# Altium PCB Mag256_9mm.PcbDoc (part 2 of 6) (continued)
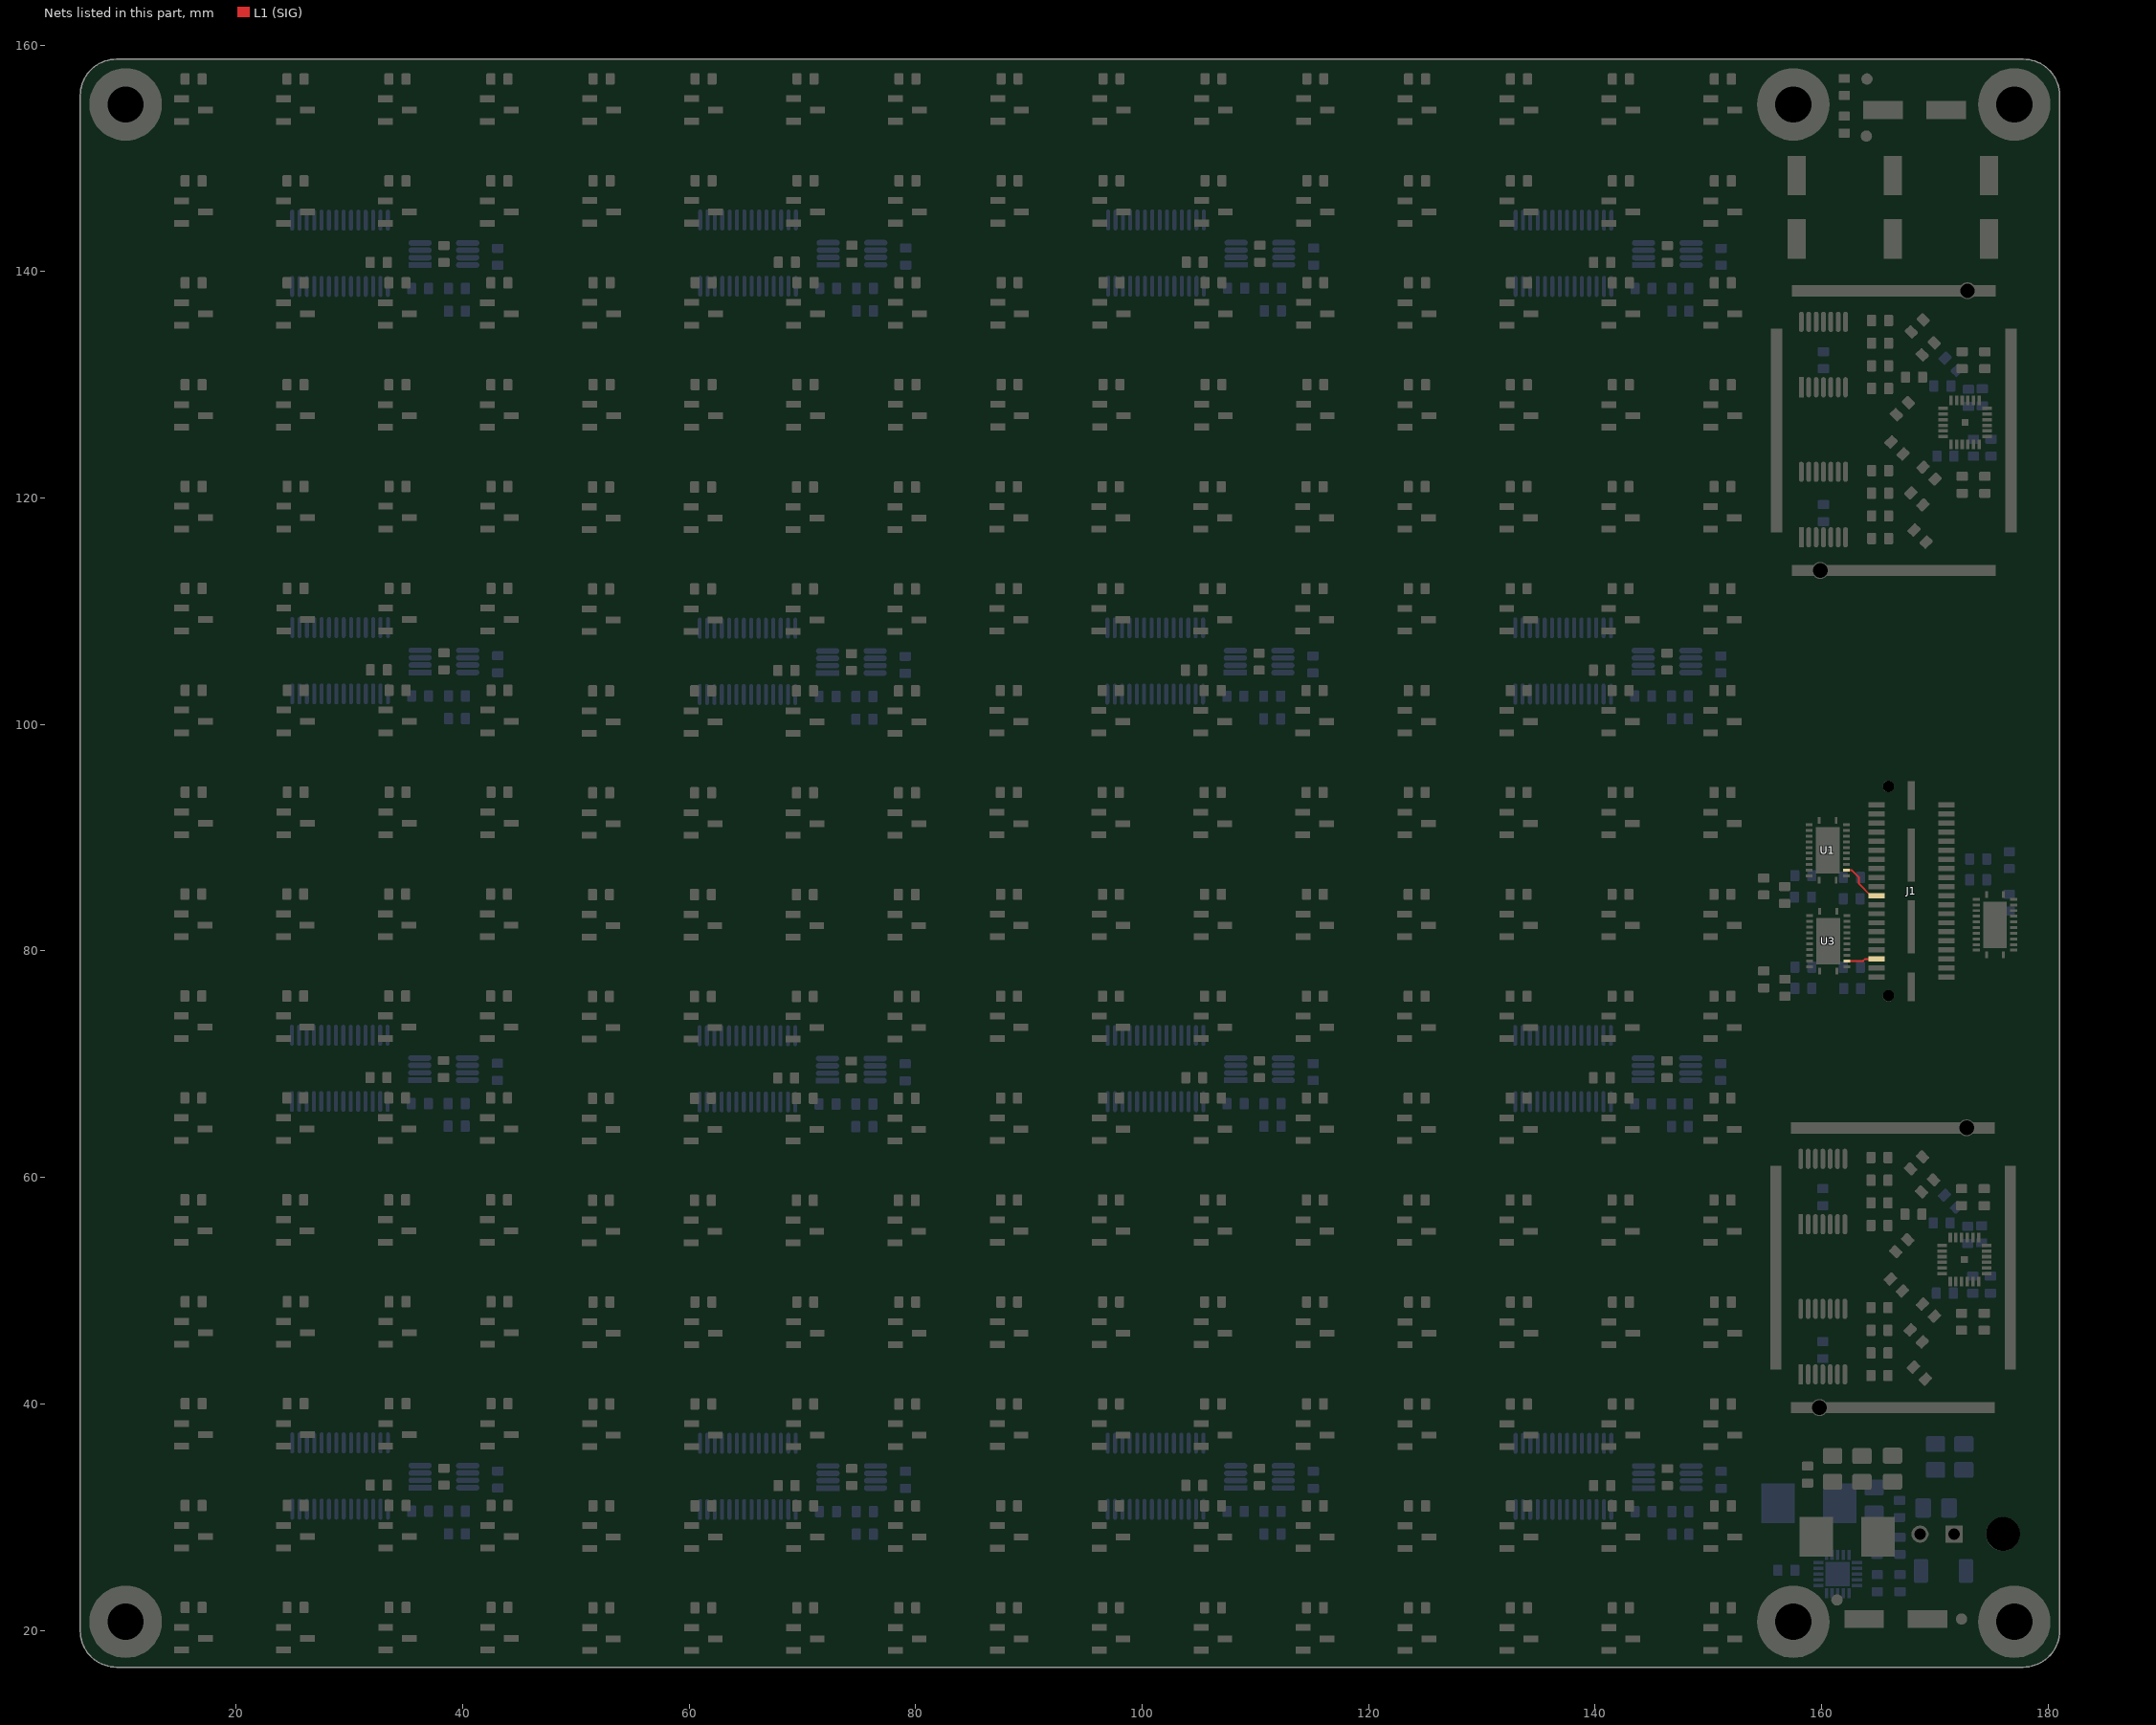
[diagram p6: the nets of this part, all layers, seen from the top]
## Components (designator, comment, footprint, x,y, rotation, side; value= is the part's Value field where it differs from the comment) (continued)
R18_F21 "33R" RES_0603 165.156,122.419 r180 top (schematic designator R18)
R18_F22 "33R" RES_0603 165.1,48.5 r180 top (schematic designator R18)
TP1 "TEST_POINT_RND_1MM" PAD_RND_1MM 161.348,22.682 r270 top
TP2 "TEST_POINT_RND_1MM" PAD_RND_1MM 164,157 r0 top
TP3 "TEST_POINT_RND_1MM" PAD_RND_1MM 163.948,151.964 r0 top
TP4 "TEST_POINT_RND_1MM" PAD_RND_1MM 172.351,21 r0 top
U1 "TXV0108QWRGYRQ1" TXV0108QWRGYRQ1 160.526,88.887 r180 top
U2 "TXV0108QWRGYRQ1" TXV0108QWRGYRQ1 175.301,82.312 r0 top
U3 "TXV0108QWRGYRQ1" TXV0108QWRGYRQ1 160.576,80.862 r180 top
U4_F11 "ADA4807-2ARMZ-R7" FP-RM-8-IPC_A 38.35,141.55 r0 bottom (schematic designator U4)
U4_F12 "ADA4807-2ARMZ-R7" FP-RM-8-IPC_A 74.379,141.568 r0 bottom (schematic designator U4)
U4_F13 "ADA4807-2ARMZ-R7" FP-RM-8-IPC_A 110.398,141.57 r0 bottom (schematic designator U4)
U4_F14 "ADA4807-2ARMZ-R7" FP-RM-8-IPC_A 146.373,141.55 r0 bottom (schematic designator U4)
U4_F15 "ADA4807-2ARMZ-R7" FP-RM-8-IPC_A 38.356,105.57 r0 bottom (schematic designator U4)
U4_F16 "ADA4807-2ARMZ-R7" FP-RM-8-IPC_A 74.333,105.515 r0 bottom (schematic designator U4)
U4_F17 "ADA4807-2ARMZ-R7" FP-RM-8-IPC_A 110.329,105.546 r0 bottom (schematic designator U4)
U4_F18 "ADA4807-2ARMZ-R7" FP-RM-8-IPC_A 146.342,105.551 r0 bottom (schematic designator U4)
U4_F19 "ADA4807-2ARMZ-R7" FP-RM-8-IPC_A 38.323,69.57 r0 bottom (schematic designator U4)
U4_F110 "ADA4807-2ARMZ-R7" FP-RM-8-IPC_A 74.324,69.527 r0 bottom (schematic designator U4)
U4_F111 "ADA4807-2ARMZ-R7" FP-RM-8-IPC_A 110.355,69.557 r0 bottom (schematic designator U4)
U4_F112 "ADA4807-2ARMZ-R7" FP-RM-8-IPC_A 146.336,69.551 r0 bottom (schematic designator U4)
U4_F113 "ADA4807-2ARMZ-R7" FP-RM-8-IPC_A 38.355,33.571 r0 bottom (schematic designator U4)
U4_F114 "ADA4807-2ARMZ-R7" FP-RM-8-IPC_A 74.362,33.541 r0 bottom (schematic designator U4)
U4_F115 "ADA4807-2ARMZ-R7" FP-RM-8-IPC_A 110.361,33.549 r0 bottom (schematic designator U4)
U4_F116 "ADA4807-2ARMZ-R7" FP-RM-8-IPC_A 146.374,33.534 r0 bottom (schematic designator U4)
U5_B1 "ADG706BRUZ" ADI-RU-28_M 29.176,141.608 r90 bottom (schematic designator U5)
U5_B2 "ADG706BRUZ" ADI-RU-28_M 65.205,141.626 r90 bottom (schematic designator U5)
U5_B3 "ADG706BRUZ" ADI-RU-28_M 101.224,141.627 r90 bottom (schematic designator U5)
U5_B4 "ADG706BRUZ" ADI-RU-28_M 137.199,141.608 r90 bottom (schematic designator U5)
U5_B5 "ADG706BRUZ" ADI-RU-28_M 29.182,105.628 r90 bottom (schematic designator U5)
U5_B6 "ADG706BRUZ" ADI-RU-28_M 65.16,105.573 r90 bottom (schematic designator U5)
U5_B7 "ADG706BRUZ" ADI-RU-28_M 101.156,105.604 r90 bottom (schematic designator U5)
U5_B8 "ADG706BRUZ" ADI-RU-28_M 137.168,105.609 r90 bottom (schematic designator U5)
U5_B9 "ADG706BRUZ" ADI-RU-28_M 29.149,69.628 r90 bottom (schematic designator U5)
U5_B10 "ADG706BRUZ" ADI-RU-28_M 65.15,69.585 r90 bottom (schematic designator U5)
U5_B11 "ADG706BRUZ" ADI-RU-28_M 101.182,69.615 r90 bottom (schematic designator U5)
U5_B12 "ADG706BRUZ" ADI-RU-28_M 137.162,69.609 r90 bottom (schematic designator U5)
U5_B13 "ADG706BRUZ" ADI-RU-28_M 29.181,33.629 r90 bottom (schematic designator U5)
U5_B14 "ADG706BRUZ" ADI-RU-28_M 65.188,33.599 r90 bottom (schematic designator U5)
U5_B15 "ADG706BRUZ" ADI-RU-28_M 101.187,33.607 r90 bottom (schematic designator U5)
U5_B16 "ADG706BRUZ" ADI-RU-28_M 137.201,33.592 r90 bottom (schematic designator U5)
U6_F11 "ADA4807-4" FP-RU-14-IPC_A 160.156,132.669 r90 top (schematic designator U6)
U6_F12 "ADA4807-4" FP-RU-14-IPC_A 160.1,58.75 r90 top (schematic designator U6)
U6_F21 "ADA4807-4" FP-RU-14-IPC_A 160.156,119.419 r90 top (schematic designator U6)
U6_F22 "ADA4807-4" FP-RU-14-IPC_A 160.1,45.5 r90 top (schematic designator U6)

## Footprints (in the part's own frame and the unit in brackets; to place one, negate y for a bottom-side part, rotate by r counter-clockwise, add the part's x,y. Pads: shape width x height; smd on the part's side, far side on the other; paste and mask are expansions set on the pad)
43045-02YY [mm]
  rect 1.52x1.52 hole 1.02: 1(0,0)
  round 1.52 hole 1.02: 2(0,3)
  round 3 hole 3 unplated: 3(0,-4.32)
  silkscreen extent -3.32,-8.72 5,3.52, body extent -3.58,-8.87 3.56,3.36, height 8.66
3670250 [mm] "Shielding Cabinet, SMT Frame Seamless, 25x21x4mm"
  rect 1x18 smd paste-2539.97 mask-2222: 1(-12.35,0) 1(12.35,0)
  round 1.5 hole 1.3: 1(-12.35,6.5) 1(12.35,-6.5)
  rect 18x1 smd paste-2539.97 mask-2222: 1(0,10.35) 1(0,-10.35)
  L1 (SIG) region: 11.6,-8.7 11.6,8.7 11.531,9.044 11.336,9.336 11.044,9.531 10.7,9.6 10.7,9.6 0.25,9.6 0.25,11.1 10.7,11.1 10.7,11.1 11.618,10.917 12.397,10.397 12.917,9.618 13.1,8.7 13.1,8.7 13.1,-8.7 12.917,-9.618 12.397,-10.397 11.618,-10.917 10.7,-11.1 10.7,-11.1 10.7,-11.1 0.25,-11.1 0.25,-9.6 10.7,-9.6 11.044,-9.531 11.336,-9.336 11.531,-9.044 11.6,-8.7
  L1 (SIG) region: -11.6,-8.7 -11.6,8.7 -11.531,9.044 -11.336,9.336 -11.044,9.531 -10.7,9.6 -10.7,9.6 1,9.6 1,11.1 -10.7,11.1 -11.618,10.917 -12.397,10.397 -12.917,9.618 -13.1,8.7 -13.1,8.7 -13.1,-8.7 -12.917,-9.618 -12.397,-10.397 -11.618,-10.917 -10.7,-11.1 -10.7,-11.1 1,-11.1 1,-9.6 -10.7,-9.6 -11.044,-9.531 -11.336,-9.336 -11.531,-9.044 -11.6,-8.7
  body extent -12.5,-10.5 12.5,10.5, height 4
ADI-RU-28_M [mm] "SOP, 28-Leads, Body 9.7x4.4mm, Pitch 0.65mm, IPC Low Density"
  oval 1.85x0.35 smd: 1(-2.925,4.225) 2(-2.925,3.575) 3(-2.925,2.925) 4(-2.925,2.275) 5(-2.925,1.625) 6(-2.925,0.975) 7(-2.925,0.325) 8(-2.925,-0.325) 9(-2.925,-0.975) 10(-2.925,-1.625) 11(-2.925,-2.275) 12(-2.925,-2.925) 13(-2.925,-3.575) 14(-2.925,-4.225) 15(2.925,-4.225) 16(2.925,-3.575) 17(2.925,-2.925) 18(2.925,-2.275) 19(2.925,-1.625) 20(2.925,-0.975) 21(2.925,-0.325) 22(2.925,0.325) 23(2.925,0.975) 24(2.925,1.625) 25(2.925,2.275) 26(2.925,2.925) 27(2.925,3.575) 28(2.925,4.225)
  silkscreen extent -3.05,-4.9 1.6,5.08, body extent -2.25,-4.9 2.25,4.9, height 1.2
CAP_0603 [mm]
  rrect25% 0.8x1 smd: 1(-0.75,0) 2(0.75,0)
  body extent -0.8,-0.4 0.8,0.4, height 0.51
CAP_0805 [mm]
  rrect25% 1.4x1.7 smd: 1(-1.143,0) 2(1.143,0)
  body extent -1.15,-0.76 1.15,0.79, height 1.01
"DO-214AC-2 (SMA)" [mm]
  rrect25% 1.27x2.1 smd: A(-1.985,0) K(1.985,0)
  silkscreen extent -3,-1.5 3,1.5, body extent -2.6,-1.3 2.6,1.3, height 2.42
FP-QTE-020-01-L-D-A-K-TR_MFG [mm]
  rect 0.46x1.45 smd: 1(-7.6,3.085) 2(-7.6,-3.085) 3(-6.8,3.085) 4(-6.8,-3.085) 5(-6,3.085) 6(-6,-3.085) 7(-5.2,3.085) 8(-5.2,-3.085) 9(-4.4,3.085) 10(-4.4,-3.085) 11(-3.6,3.085) 12(-3.6,-3.085) 13(-2.8,3.085) 14(-2.8,-3.085) 15(-2,3.085) 16(-2,-3.085) 17(-1.2,3.085) 18(-1.2,-3.085) 19(-0.4,3.085) 20(-0.4,-3.085) 21(0.4,3.085) 22(0.4,-3.085) 23(1.2,3.085) 24(1.2,-3.085) 25(2,3.085) 26(2,-3.085) 27(2.8,3.085) 28(2.8,-3.085) 29(3.6,3.085) 30(3.6,-3.085) 31(4.4,3.085) 32(4.4,-3.085) 33(5.2,3.085) 34(5.2,-3.085) 35(6,3.085) 36(6,-3.085) 37(6.8,3.085) 38(6.8,-3.085) 39(7.6,3.085) 40(7.6,-3.085)
  rect 2.54x0.64 smd: P1(-8.445,0) P4(8.445,0)
  rect 4.7x0.64 smd: P2(-3.175,0) P3(3.175,0)
  round 1.02 hole 1.02 unplated: ""(-9.24,2.035) ""(9.24,2.035)
  silkscreen extent -10.06,-3.01 10.06,4.51, body extent -10.17,-3.91 10.17,3.91, height 0.25
FP-RM-8-IPC_A [mm]
  rect 2.054x0.5 smd paste+0 mask+0: 1(-2.1,0.975)
  rrect100% 2.054x0.5 smd paste+0 mask+0: 2(-2.1,0.325) 3(-2.1,-0.325) 4(-2.1,-0.975) 5(2.1,-0.975) 6(2.1,-0.325) 7(2.1,0.325) 8(2.1,0.975)
  silkscreen extent -3.83,-1.5 0.57,1.5
FP-RU-14-IPC_A [mm]
  rect 1.788x0.421 smd paste+0 mask+0: 1(-2.891,1.95)
  rrect100% 1.788x0.421 smd paste+0 mask+0: 2(-2.891,1.3) 3(-2.891,0.65) 4(-2.891,0) 5(-2.891,-0.65) 6(-2.891,-1.3) 7(-2.891,-1.95) 8(2.891,-1.95) 9(2.891,-1.3) 10(2.891,-0.65) 11(2.891,0) 12(2.891,0.65) 13(2.891,1.3) 14(2.891,1.95)
  silkscreen extent -4.41,-2.5 1.5,2.5, body extent -4.29,-3 4.29,3, height 0.25
LED_0603_GREEN [mm]
  rrect25% 0.8x1 smd: A(0.75,0) K(-0.75,0)
  silkscreen extent -1.5,-0.8 -0.8,0.8, body extent -0.8,-0.4 0.8,0.4, height 0.6
PAD_RND_1MM [mm]
  round 1 smd paste-0.5 mask+0: 1(0,0)
QFN50P350X350X100-21N-D [mm]
  rect 0.9x0.3 smd: 1(-1.7,1) 2(-1.7,0.5) 3(-1.7,0) 4(-1.7,-0.5) 5(-1.7,-1) 11(1.7,-1) 12(1.7,-0.5) 13(1.7,0) 14(1.7,0.5) 15(1.7,1)
  rect 0.3x0.9 smd: 6(-1,-1.7) 7(-0.5,-1.7) 8(0,-1.7) 9(0.5,-1.7) 10(1,-1.7) 16(1,1.7) 17(0.5,1.7) 18(0,1.7) 19(-0.5,1.7) 20(-1,1.7)
  rect 2.15x2.15 smd: 21(0,0)
  silkscreen extent -2.28,1.63 -2.03,1.87, body extent -1.75,-1.75 1.75,1.75, height 1
QFN50P400X400X60-25N-D [mm]
  rect 0.85x0.3 smd: 1(-1.95,1.25) 2(-1.95,0.75) 3(-1.95,0.25) 4(-1.95,-0.25) 5(-1.95,-0.75) 6(-1.95,-1.25) 13(1.95,-1.25) 14(1.95,-0.75) 15(1.95,-0.25) 16(1.95,0.25) 17(1.95,0.75) 18(1.95,1.25)
  rect 0.3x0.85 smd: 7(-1.25,-1.95) 8(-0.75,-1.95) 9(-0.25,-1.95) 10(0.25,-1.95) 11(0.75,-1.95) 12(1.25,-1.95) 19(1.25,1.95) 20(0.75,1.95) 21(0.25,1.95) 22(-0.25,1.95) 23(-0.75,1.95) 24(-1.25,1.95)
  rect 0.6x0.6 smd: 25(0,0)
  silkscreen extent -2.5,1.88 -2.25,2.13, body extent -2.05,-2.05 2.05,2.05, height 0.6
RES_0603 [mm]
  rrect25% 0.8x1 smd: 1(-0.75,0) 2(0.75,0)
  body extent -0.8,-0.43 0.8,0.43, height 0.52
SOT100P237X112-3N [mm] "SOT23, 3-Leads, Body 2.92x2.37mm, Pitch 1.00mm, IPC Medium Density"
  rect 1.3x0.6 smd: 1(-1.05,1) 2(-1.05,-1) 3(1.05,0)
  silkscreen extent -1.17,-1.5 0.7,1.97, body extent -0.7,-1.52 0.7,1.52, height 1.12
TXV0108QWRGYRQ1 [mm]
  rect 0.25x0.6 smd: 1(-0.75,2.65) 12(-0.75,-2.65) 13(0.75,-2.65) 24(0.75,2.65)
  rect 0.6x0.25 smd: 2(-1.65,2.25) 3(-1.65,1.75) 4(-1.65,1.25) 5(-1.65,0.75) 6(-1.65,0.25) 7(-1.65,-0.25) 8(-1.65,-0.75) 9(-1.65,-1.25) 10(-1.65,-1.75) 11(-1.65,-2.25) 14(1.65,-2.25) 15(1.65,-1.75) 16(1.65,-1.25) 17(1.65,-0.75) 18(1.65,-0.25) 19(1.65,0.25) 20(1.65,0.75) 21(1.65,1.25) 22(1.65,1.75) 23(1.65,2.25)
  rect 2.1x4.1 smd: 25(0,0)
  silkscreen extent -0.8,3.3 -0.7,3.4, body extent -1.75,-2.75 1.75,2.75, height 1.1
WCAP-ASLI_D6.3H5.5 [mm] "Aluminium Electrolytic V-Chip SMT Capacitors, 6.3x5.5mm"
  rect 3.5x1.6 smd: 1(2.8,0) 2(-2.8,0)
  silkscreen extent -3.4,-3.4 3.4,3.4, body extent -3.65,-3.3 3.65,3.3, height 5.5
WE-LHMI_7030 [mm] "SMT Power Inductor, 2-Leads, body 6.6x6.6mm"
  rect 2.95x3.5 smd: 1(-2.725,0) 2(2.725,0)
  L1 (SIG) keep-out region: -1.15,3.3 1.15,3.3 1.15,-3.3 -1.15,-3.3
  silkscreen extent -3.45,-3.45 3.45,3.45, body extent -3.65,-3.3 3.65,3.3, height 2.8

## Part data
C1_B1 C1_B2 C1_B3 C1_B4 C1_B5 C1_B6 C1_B7 C1_B8 C1_B9 C1_B10 C1_B11 C1_B12 C1_B13 C1_B14 C1_B15 C1_B16 C2_B1 C2_B2 C2_B3 C2_B4 C2_B5 C2_B6 C2_B7 C2_B8 C2_B9 C2_B10 C2_B11 C2_B12 C2_B13 C2_B14 C2_B15 C2_B16 C3_B1 C3_B2 C3_B3 C3_B4 C3_B5 C3_B6 C3_B7 C3_B8 C3_B9 C3_B10 C3_B11 C3_B12 C3_B13 C3_B14 C3_B15 C3_B16 C4_B1 C4_B2 C4_B3 C4_B4 C4_B5 C4_B6 C4_B7 C4_B8 C4_B9 C4_B10 C4_B11 C4_B12 C4_B13 C4_B14 C4_B15 C4_B16 C5_B1 C5_B2 C5_B3 C5_B4 C5_B5 C5_B6 C5_B7 C5_B8 C5_B9 C5_B10 C5_B11 C5_B12 C5_B13 C5_B14 C5_B15 C5_B16 C6_B1 C6_B2 C6_B3 C6_B4 C6_B5 C6_B6 C6_B7 C6_B8 C6_B9 C6_B10 C6_B11 C6_B12 C6_B13 C6_B14 C6_B15 C6_B16 C7_B1 C7_B2 C7_B3 C7_B4 C7_B5 C7_B6 C7_B7 C7_B8 C7_B9 C7_B10 C7_B11 C7_B12 C7_B13 C7_B14 C7_B15 C7_B16 C8_B1 C8_B2 C8_B3 C8_B4 C8_B5 C8_B6 C8_B7 C8_B8 C8_B9 C8_B10 C8_B11 C8_B12 C8_B13 C8_B14 C8_B15 C8_B16 C9_B1 C9_B2 C9_B3 C9_B4 C9_B5 C9_B6 C9_B7 C9_B8 C9_B9 C9_B10 C9_B11 C9_B12 C9_B13 C9_B14 C9_B15 C9_B16 C10_B1 C10_B2 C10_B3 C10_B4 C10_B5 C10_B6 C10_B7 C10_B8 C10_B9 C10_B10 C10_B11 C10_B12 C10_B13 C10_B14 C10_B15 C10_B16 C11_B1 C11_B2 C11_B3 C11_B4 C11_B5 C11_B6 C11_B7 C11_B8 C11_B9 C11_B10 C11_B11 C11_B12 C11_B13 C11_B14 C11_B15 C11_B16 C12_B1 C12_B2 C12_B3 C12_B4 C12_B5 C12_B6 C12_B7 C12_B8 C12_B9 C12_B10 C12_B11 C12_B12 C12_B13 C12_B14 C12_B15 C12_B16 C13_B1 C13_B2 C13_B3 C13_B4 C13_B5 C13_B6 C13_B7 C13_B8 C13_B9 C13_B10 C13_B11 C13_B12 C13_B13 C13_B14 C13_B15 C13_B16 C14_B1 C14_B2 C14_B3 C14_B4 C14_B5 C14_B6 C14_B7 C14_B8 C14_B9 C14_B10 C14_B11 C14_B12 C14_B13 C14_B14 C14_B15 C14_B16 C15_B1 C15_B2 C15_B3 C15_B4 C15_B5 C15_B6 C15_B7 C15_B8 C15_B9 C15_B10 C15_B11 C15_B12 C15_B13 C15_B14 C15_B15 C15_B16 C16_B1 C16_B2 C16_B3 C16_B4 C16_B5 C16_B6 C16_B7 C16_B8 C16_B9 C16_B10 C16_B11 C16_B12 C16_B13 C16_B14 C16_B15 C16_B16 C17_B1 C17_B2 C17_B3 C17_B4 C17_B5 C17_B6 C17_B7 C17_B8 C17_B9 C17_B10 C17_B11 C17_B12 C17_B13 C17_B14 C17_B15 C17_B16 C18_ADC1 C18_ADC2 C19_ADC1 C19_ADC2 C20_ADC1 C20_ADC2 C21_ADC1 C21_ADC2 C22_ADC1 C22_ADC2 C23_ADC1 C23_ADC2 C24_ADC1 C24_ADC2 C25 C26 C27 C28 C29 C30 C31 C32 C33 C34 C35 C36 C40 C42 C45 C48 C53_F11 C53_F12 C53_F13 C53_F14 C53_F15 C53_F16 C53_F17 C53_F18 C53_F19 C53_F110 C53_F111 C53_F112 C53_F113 C53_F114 C53_F115 C53_F116 C54_F11 C54_F12 C54_F13 C54_F14 C54_F15 C54_F16 C54_F17 C54_F18 C54_F19 C54_F110 C54_F111 C54_F112 C54_F113 C54_F114 C54_F115 C54_F116 C55_F11 C55_F12 C55_F13 C55_F14 C55_F15 C55_F16 C55_F17 C55_F18 C55_F19 C55_F110 C55_F111 C55_F112 C55_F113 C55_F114 C55_F115 C55_F116 C56_F11 C56_F12 C56_F21 C56_F22 C57_F11 C57_F12 C57_F21 C57_F22 C58_F11 C58_F12 C58_F21 C58_F22 C59_F11 C59_F12 C59_F21 C59_F22 C60_F11 C60_F12 C60_F21 C60_F22: library part CMP-001-00085-1, "Capacitor SMD 0603", Design Item ID=CAP_0603, Source=Schematic-Lib-PhilsLab.SchLib
C37 C38 C39 C43 C44 C46 C47: library part CMP-001-00086-1, "Capacitor SMD 0805", Design Item ID=CAP_0805, Source=Schematic-Lib-PhilsLab.SchLib
C41 C49 C50 C51 C52: library part CMP-03913-53914608-1, "865080543009 Alum. Electrolytic Cap 47µF 35V 6.3mmV-Chip WCAP-ASLI; Lifetime 2000h +105°C", Capacitance=47µF, Case/Package=Radial, ESR (Equivalent Series Resistance)=413.353mΩ, Insulation Resistance=2.12766MΩ, Leakage Current=16.45µA, Max Operating Temperature=105°C, Min Operating Temperature=-55°C, Ripple Current=240mA, Tolerance=20%, Voltage Rating=35V, Diameter=6.3mm, Height=5.5mm, Height - Seated (Max)=5.5118mm, Impedance=530mΩ, Length=5.5mm, Life (Hours)=2000hours, Mount="Surface Mount", NexarPartId=53914608, Packaging="Tape & Reel (TR)", Polarity=Polar, REACH SVHC=Unknown, Ripple Current (AC)=240mA, rohs=Compliant, Voltage Rating (DC)=35V, Width=6.6mm
D1: library part CMP-004-00047-1, "Diode Schottky SMD SMA (DO-214AA)", Design Item ID=D_SCHOTTKY_SMA, Source=Schematic-Lib-PhilsLab.SchLib
D2: library part CMP-004-00051-1, "LED 0603 GREEN SMD", Design Item ID=LED_0603_GREEN, Source=Schematic-Lib-PhilsLab.SchLib
IC1_ADC1 IC1_ADC2: library part CMP-031-00040-2, "Single-Ended Input, Quad, Simultaneous Sampling, 16-Bit, SAR ADC", Arrow Part Number=AD7386-4, Manufacturer_Name="Analog Devices", Manufacturer_Part_Number=AD7386-4BCPZ, Mouser Part Number=584-AD7386-4BCPZ, Arrow Price/Stock=https://www.arrow.com/en/products/ad7386-4bcpz/analog-devices?region=nac, Datasheet Link=https://www.analog.com/AD7386-4/datasheet, Design Item ID=AD7386-4BCPZ, Height=0.6mm, Mouser Price/Stock=https://www.mouser.co.uk/ProductDetail/Analog-Devices/AD7386-4BCPZ?qs=ST9lo4GX8V1C1Qgul%252B8gdQ%3D%3D, Source=SamacSys.SchLib
IC2: "Integrated Circuit", Manufacturer_Name="Texas Instruments", Mouser Part Number=595-TPS7A5201QRGRRQ1, Arrow Part Number=TPS7A5201QRGRRQ1, Arrow Price/Stock=https://www.arrow.com/en/products/tps7a5201qrgrrq1/texas-instruments, Datasheet Link=http://www.ti.com/lit/gpn/tps7a52-q1, Height=1mm, Manufacturer_Part_Number=TPS7A5201QRGRRQ1, Mouser Price/Stock=https://www.mouser.co.uk/ProductDetail/Texas-Instruments/TPS7A5201QRGRRQ1?qs=1mbolxNpo8cdxsbFt%252By4TQ%3D%3D
J1: library part CMP-00575-09351342-1, "Board to Board & Mezzanine Connectors Q Strip High-Speed Ground Plane Header, 0.80mm Pitch", Current Rating=2A, Housing Color=Black, Manufacturer Lifecycle Status=PRODUCTION, Max Operating Temperature=125°C, Max Voltage Rating (AC)=225V, Min Operating Temperature=-55°C, ComponentLink1Description="Manufacturer URL", ComponentLink1URL=http://www.samtec.com/, ComponentLink2Description="Datasheet URL", ComponentLink2URL=https://suddendocs.samtec.com/catalog_english/qte.pdf, ComponentLink3Description="Package URL", ComponentLink3URL=https://suddendocs.samtec.com/prints/qte-xxx-xx-xxx-d-xxx-footprint.pdf, Contact Material="Gold, Nickel", Contact Plating=Gold, Depth=5.97mm, Gender=Male, Height=4.347mm, Housing Material=Polymer, Insulation Material=Polyester, Length=20mm, Lifecycle Status=Production, Mount="Surface Mount", Number of Contacts=40, Number of Rows=2, Orientation=Straight, Pitch=800µm, Radiation Hardening=No, REACH SVHC="No SVHC", rohs=Compliant, Row Spacing=3.94mm, Termination=Solder, Voltage Rating=225V, Voltage Rating (AC)=225V
J2: "Connector", Manufacturer_Name=Molex, Mouser Part Number=538-43045-0201, Datasheet Link=https://www.molex.com/pdm_docs/sd/430450200_sd.pdf, Height=9.9mm, Manufacturer_Part_Number=43045-0201, Mouser Price/Stock=https://www.mouser.co.uk/ProductDetail/Molex/43045-0201?qs=R7%2FZKp6KZ2Y51sj1nic43g%3D%3D
L1 L2: library part CMP-1353-00057-5, Ambient Temperature Range High=85°C, Ambient Temperature Range Low=-40°C, Case/Package=Nonstandard, Current Rating=3.8A, DC Resistance (DCR)=37mΩ, Frequency=22MHz, Inductance=4.7µH, Inductance Tolerance=20%, Max Operating Temperature=125°C, Saturation Current=7.5A, Series Resistance=40mΩ, Test Frequency=100kHz, Composition=Wirewound, Core Material="Composite, Ferrite", Depth=6.6mm, Height=2.8mm, Height - Seated (Max)=3.0988mm, Length=7.3mm, Max DC Current=3.8A, Min Operating Temperature=-40°C, Mount="Surface Mount", NexarPartId=22866641, Packaging="Tape & Reel (TR)", REACH SVHC=Unknown, RMS Current (Irms)=3.8A, rohs=Compliant, Self Resonant Frequency=22MHz, Shielding=Shielded, Termination=SMD/SMT, Tolerance=20%, Width=6.6mm
MAG1_B1 MAG1_B2 MAG1_B3 MAG1_B4 MAG1_B5 MAG1_B6 MAG1_B7 MAG1_B8 MAG1_B9 MAG1_B10 MAG1_B11 MAG1_B12 MAG1_B13 MAG1_B14 MAG1_B15 MAG1_B16 MAG2_B1 MAG2_B2 MAG2_B3 MAG2_B4 MAG2_B5 MAG2_B6 MAG2_B7 MAG2_B8 MAG2_B9 MAG2_B10 MAG2_B11 MAG2_B12 MAG2_B13 MAG2_B14 MAG2_B15 MAG2_B16 MAG3_B1 MAG3_B2 MAG3_B3 MAG3_B4 MAG3_B5 MAG3_B6 MAG3_B7 MAG3_B8 MAG3_B9 MAG3_B10 MAG3_B11 MAG3_B12 MAG3_B13 MAG3_B14 MAG3_B15 MAG3_B16 MAG4_B1 MAG4_B2 MAG4_B3 MAG4_B4 MAG4_B5 MAG4_B6 MAG4_B7 MAG4_B8 MAG4_B9 MAG4_B10 MAG4_B11 MAG4_B12 MAG4_B13 MAG4_B14 MAG4_B15 MAG4_B16 MAG5_B1 MAG5_B2 MAG5_B3 MAG5_B4 MAG5_B5 MAG5_B6 MAG5_B7 MAG5_B8 MAG5_B9 MAG5_B10 MAG5_B11 MAG5_B12 MAG5_B13 MAG5_B14 MAG5_B15 MAG5_B16 MAG6_B1 MAG6_B2 MAG6_B3 MAG6_B4 MAG6_B5 MAG6_B6 MAG6_B7 MAG6_B8 MAG6_B9 MAG6_B10 MAG6_B11 MAG6_B12 MAG6_B13 MAG6_B14 MAG6_B15 MAG6_B16 MAG7_B1 MAG7_B2 MAG7_B3 MAG7_B4 MAG7_B5 MAG7_B6 MAG7_B7 MAG7_B8 MAG7_B9 MAG7_B10 MAG7_B11 MAG7_B12 MAG7_B13 MAG7_B14 MAG7_B15 MAG7_B16 MAG8_B1 MAG8_B2 MAG8_B3 MAG8_B4 MAG8_B5 MAG8_B6 MAG8_B7 MAG8_B8 MAG8_B9 MAG8_B10 MAG8_B11 MAG8_B12 MAG8_B13 MAG8_B14 MAG8_B15 MAG8_B16 MAG9_B1 MAG9_B2 MAG9_B3 MAG9_B4 MAG9_B5 MAG9_B6 MAG9_B7 MAG9_B8 MAG9_B9 MAG9_B10 MAG9_B11 MAG9_B12 MAG9_B13 MAG9_B14 MAG9_B15 MAG9_B16 MAG10_B1 MAG10_B2 MAG10_B3 MAG10_B4 MAG10_B5 MAG10_B6 MAG10_B7 MAG10_B8 MAG10_B9 MAG10_B10 MAG10_B11 MAG10_B12 MAG10_B13 MAG10_B14 MAG10_B15 MAG10_B16 MAG11_B1 MAG11_B2 MAG11_B3 MAG11_B4 MAG11_B5 MAG11_B6 MAG11_B7 MAG11_B8 MAG11_B9 MAG11_B10 MAG11_B11 MAG11_B12 MAG11_B13 MAG11_B14 MAG11_B15 MAG11_B16 MAG12_B1 MAG12_B2 MAG12_B3 MAG12_B4 MAG12_B5 MAG12_B6 MAG12_B7 MAG12_B8 MAG12_B9 MAG12_B10 MAG12_B11 MAG12_B12 MAG12_B13 MAG12_B14 MAG12_B15 MAG12_B16 MAG13_B1 MAG13_B2 MAG13_B3 MAG13_B4 MAG13_B5 MAG13_B6 MAG13_B7 MAG13_B8 MAG13_B9 MAG13_B10 MAG13_B11 MAG13_B12 MAG13_B13 MAG13_B14 MAG13_B15 MAG13_B16 MAG14_B1 MAG14_B2 MAG14_B3 MAG14_B4 MAG14_B5 MAG14_B6 MAG14_B7 MAG14_B8 MAG14_B9 MAG14_B10 MAG14_B11 MAG14_B12 MAG14_B13 MAG14_B14 MAG14_B15 MAG14_B16 MAG15_B1 MAG15_B2 MAG15_B3 MAG15_B4 MAG15_B5 MAG15_B6 MAG15_B7 MAG15_B8 MAG15_B9 MAG15_B10 MAG15_B11 MAG15_B12 MAG15_B13 MAG15_B14 MAG15_B15 MAG15_B16 MAG16_B1 MAG16_B2 MAG16_B3 MAG16_B4 MAG16_B5 MAG16_B6 MAG16_B7 MAG16_B8 MAG16_B9 MAG16_B10 MAG16_B11 MAG16_B12 MAG16_B13 MAG16_B14 MAG16_B15 MAG16_B16: library part CMP-010-00024-4, "Hall Effect Sensor, 176mT Min, -1-1mA, Plastic/epoxy, Rectangular, 3 Pin, Surface Mount, DRV5055A4QDBZR", Case/Package=SOT-23, Max Operating Temperature=125°C, Max Supply Voltage=7V, Min Operating Temperature=-40°C, Min Supply Voltage=-300mV, Nominal Supply Current=6mA, Nominal Supply Voltage=5V, Output Current=1mA, Mounting Technology=SMD, Pins=3, RoHS Compliant=Yes, Sensor Type="MAGNETIC FIELD SENSOR,HALL EFFECT"
MP1_ADC1 MP1_ADC2: library part CMP-03913-115851622-1, "3670250 Shield Cabinet Frame, 25Mm X 21Mm Rohs Compliant: Yes", Max Operating Temperature=125°C, Min Operating Temperature=-40°C, Core Material=Steel, Height=4mm, Length=25mm, NexarPartId=115851622, rohs=Compliant, Width=21mm
R1_ADC1 R1_ADC2 R2_ADC1 R2_ADC2 R3_ADC1 R3_ADC2 R4_ADC1 R4_ADC2 R5 R6 R7 R8 R9 R10 R11 R12 R13_F11 R13_F12 R13_F13 R13_F14 R13_F15 R13_F16 R13_F17 R13_F18 R13_F19 R13_F110 R13_F111 R13_F112 R13_F113 R13_F114 R13_F115 R13_F116 R14_F11 R14_F12 R14_F13 R14_F14 R14_F15 R14_F16 R14_F17 R14_F18 R14_F19 R14_F110 R14_F111 R14_F112 R14_F113 R14_F114 R14_F115 R14_F116 R15_F11 R15_F12 R15_F21 R15_F22 R16_F11 R16_F12 R16_F21 R16_F22 R17_F11 R17_F12 R17_F21 R17_F22 R18_F11 R18_F12 R18_F21 R18_F22: library part CMP-009-00179-1, "Resistor SMD 0603", Design Item ID=RES_0603, Source=Schematic-Lib-PhilsLab.SchLib
TP1 TP2 TP3 TP4: library part CMP-020-000001-1, "Test Point Round 1mm (NO BOM)", Design Item ID=TEST_POINT_RND_1MM, Source=Schematic-Lib-PhilsLab.SchLib
U1 U2 U3: "Integrated Circuit", Manufacturer_Name="Texas Instruments", Datasheet Link=https://www.ti.com/lit/ds/symlink/txv0108-q1.pdf?ts=1721444850822&ref_url=https%253A%252F%252Fwww.mouser.cn%252F, Height=1mm, Manufacturer_Part_Number=TXV0108QWRGYRQ1
U4_F11 U4_F12 U4_F13 U4_F14 U4_F15 U4_F16 U4_F17 U4_F18 U4_F19 U4_F110 U4_F111 U4_F112 U4_F113 U4_F114 U4_F115 U4_F116: library part CMP-09116-000141-1, "IC OPAMP VFB 2 CIRCUIT 8MSOP", Case/Package=MSOP, Input Bias Current=1.2uA, Input Offset Voltage (Vos)=20uV, Max Dual Supply Voltage=5V, Max Operating Temperature=125°C, Max Supply Voltage=10V, Min Dual Supply Voltage=1.5V, Min Operating Temperature=-40°C, Min Supply Voltage=3V, Operating Supply Current=950uA, Output Current per Channel=106mA, Power Supply Rejection Ratio (PSRR)=98dB, Voltage Gain=130dB, -3db Bandwidth=170MHz, Common Mode Rejection Ratio=110dB, Contact Plating=Tin, Lead Free="Contains Lead", Mount="Surface Mount", Number of Circuits=2, Number of Pins=8, Packaging="Tape and Reel", RoHS Compliant=Yes, Slew Rate=145V/µs
U5_B1 U5_B2 U5_B3 U5_B4 U5_B5 U5_B6 U5_B7 U5_B8 U5_B9 U5_B10 U5_B11 U5_B12 U5_B13 U5_B14 U5_B15 U5_B16: library part CMP-0798-00221-1, "1.8 to 5.5 V / 2.5 V, CMOS Low-Voltage 2.5 Ohm, 16-Channel Multiplexer, -40 to 85 degC, 28-pin SOP (RU-28), Reel", Manufacturer="Analog Devices", PartNumber=ADG706BRUZ-REEL7, Bandwidth (Hz)=25M, Code_JEDEC=MO-153-AE, ComponentLink1Description="Manufacturer URL", ComponentLink1URL=http://www.analog.com/en/index.html, ComponentLink2Description=Datasheet, ComponentLink2URL=http://www.analog.com/static/imported-files/data_sheets/ADG706_707.pdf, ComponentLink3Description="Package Specification", ComponentLink3URL=http://www.analog.com/static/imported-files/packages/249854663RU_28.pdf, DatasheetVersion="Rev. A", Max Analog Signal Range="Vss to Vdd", Mounting Technology="Surface Mount", PackageDescription="28-Pin Thin Shrink Small Outline Package, Body 9.7 x 4.4 mm, Pitch 0.65 mm", PackageReference=RU-28, PackageVersion=Mar-05, Packing=Reel, Ron (ohms)=2.5, Supply V Guar Performance="Dual_(+/-2.5V), Single_(+3V), Single_(+5V)", t transition (s)=40n
U6_F11 U6_F12 U6_F21 U6_F22: library part CMP-09116-000241-1, "IC OPAMP VFB 4 CIRCUIT 14TSSOP", Case/Package=TSSOP, Dual Supply Voltage=5V, Input Bias Current=1.2uA, Input Offset Voltage (Vos)=140uV, Max Operating Temperature=125°C, Max Supply Voltage=11V, Min Operating Temperature=-40°C, Min Supply Voltage=2.7V, Operating Supply Current=1mA, Output Current per Channel=80mA, Power Supply Rejection Ratio (PSRR)=98dB, Voltage Gain=130dB, -3db Bandwidth=180MHz, Bandwidth=180MHz, Common Mode Rejection Ratio=96dB, Gain Bandwidth Product=170MHz, Lead Free="Contains Lead", Mount="Surface Mount", Number of Amplifiers=4, Number of Circuits=4, Number of Pins=14, Packaging=Rail/Tube, REACH SVHC="No SVHC", RoHS Compliant=Yes, Slew Rate=225V/µs

## Free pads (board coordinates)
  round 6.4 hole 3.2: 2(10.25,20.75) 2(10.25,154.75) 2(157.5,20.75) 2(157.5,154.75) 2(177,20.75) 2(177,154.75)

## Via types
v1: diameter 0.45, hole 0.3, L1 (SIG) to L6 (SIG), 2060 vias
v2: diameter 0.5, hole 0.3, L1 (SIG) to L6 (SIG), 85 vias

## Nets (pads, with @x,y where several pads share a name; then routed paths per layer and width w, separated by ;. In a path a pad name is that pad's centre, name@x,y a point inside that pad or via, vN(x,y) a via of type N, cw(c..) or ccw(c..) an arc to the next point about the centre after c; other vN are vias at no path point)
"!CSA Out": J1.19 U1.3 | length 3.9
  L1 (SIG) w0.152: U1.3@162.176,87.137 162.633,87.137 163.293,86.476 163.293,85.936 164.341,84.888 J1.19@164.836,84.888
"!CSb Out": J1.5 U3.3 | length 2.7
  L1 (SIG) w0.152: U3.3@162.226,79.112 163.658,79.112 163.833,79.287 J1.5@164.836,79.287